# Altium PCB Inverter_540VDC_V2.PcbDoc (part 3 of 3)
Units mm, origin at the board's own origin, x right, y up, seen from the top; angles counter-clockwise.
Board outline 420 x 300 mm, 2 copper layers (Top Layer, Bottom Layer), stack 2.071 mm thick; 422 components, 183 nets, 1036 pads, 944 vias.
Unrouted connection lines stored in the file: 20.
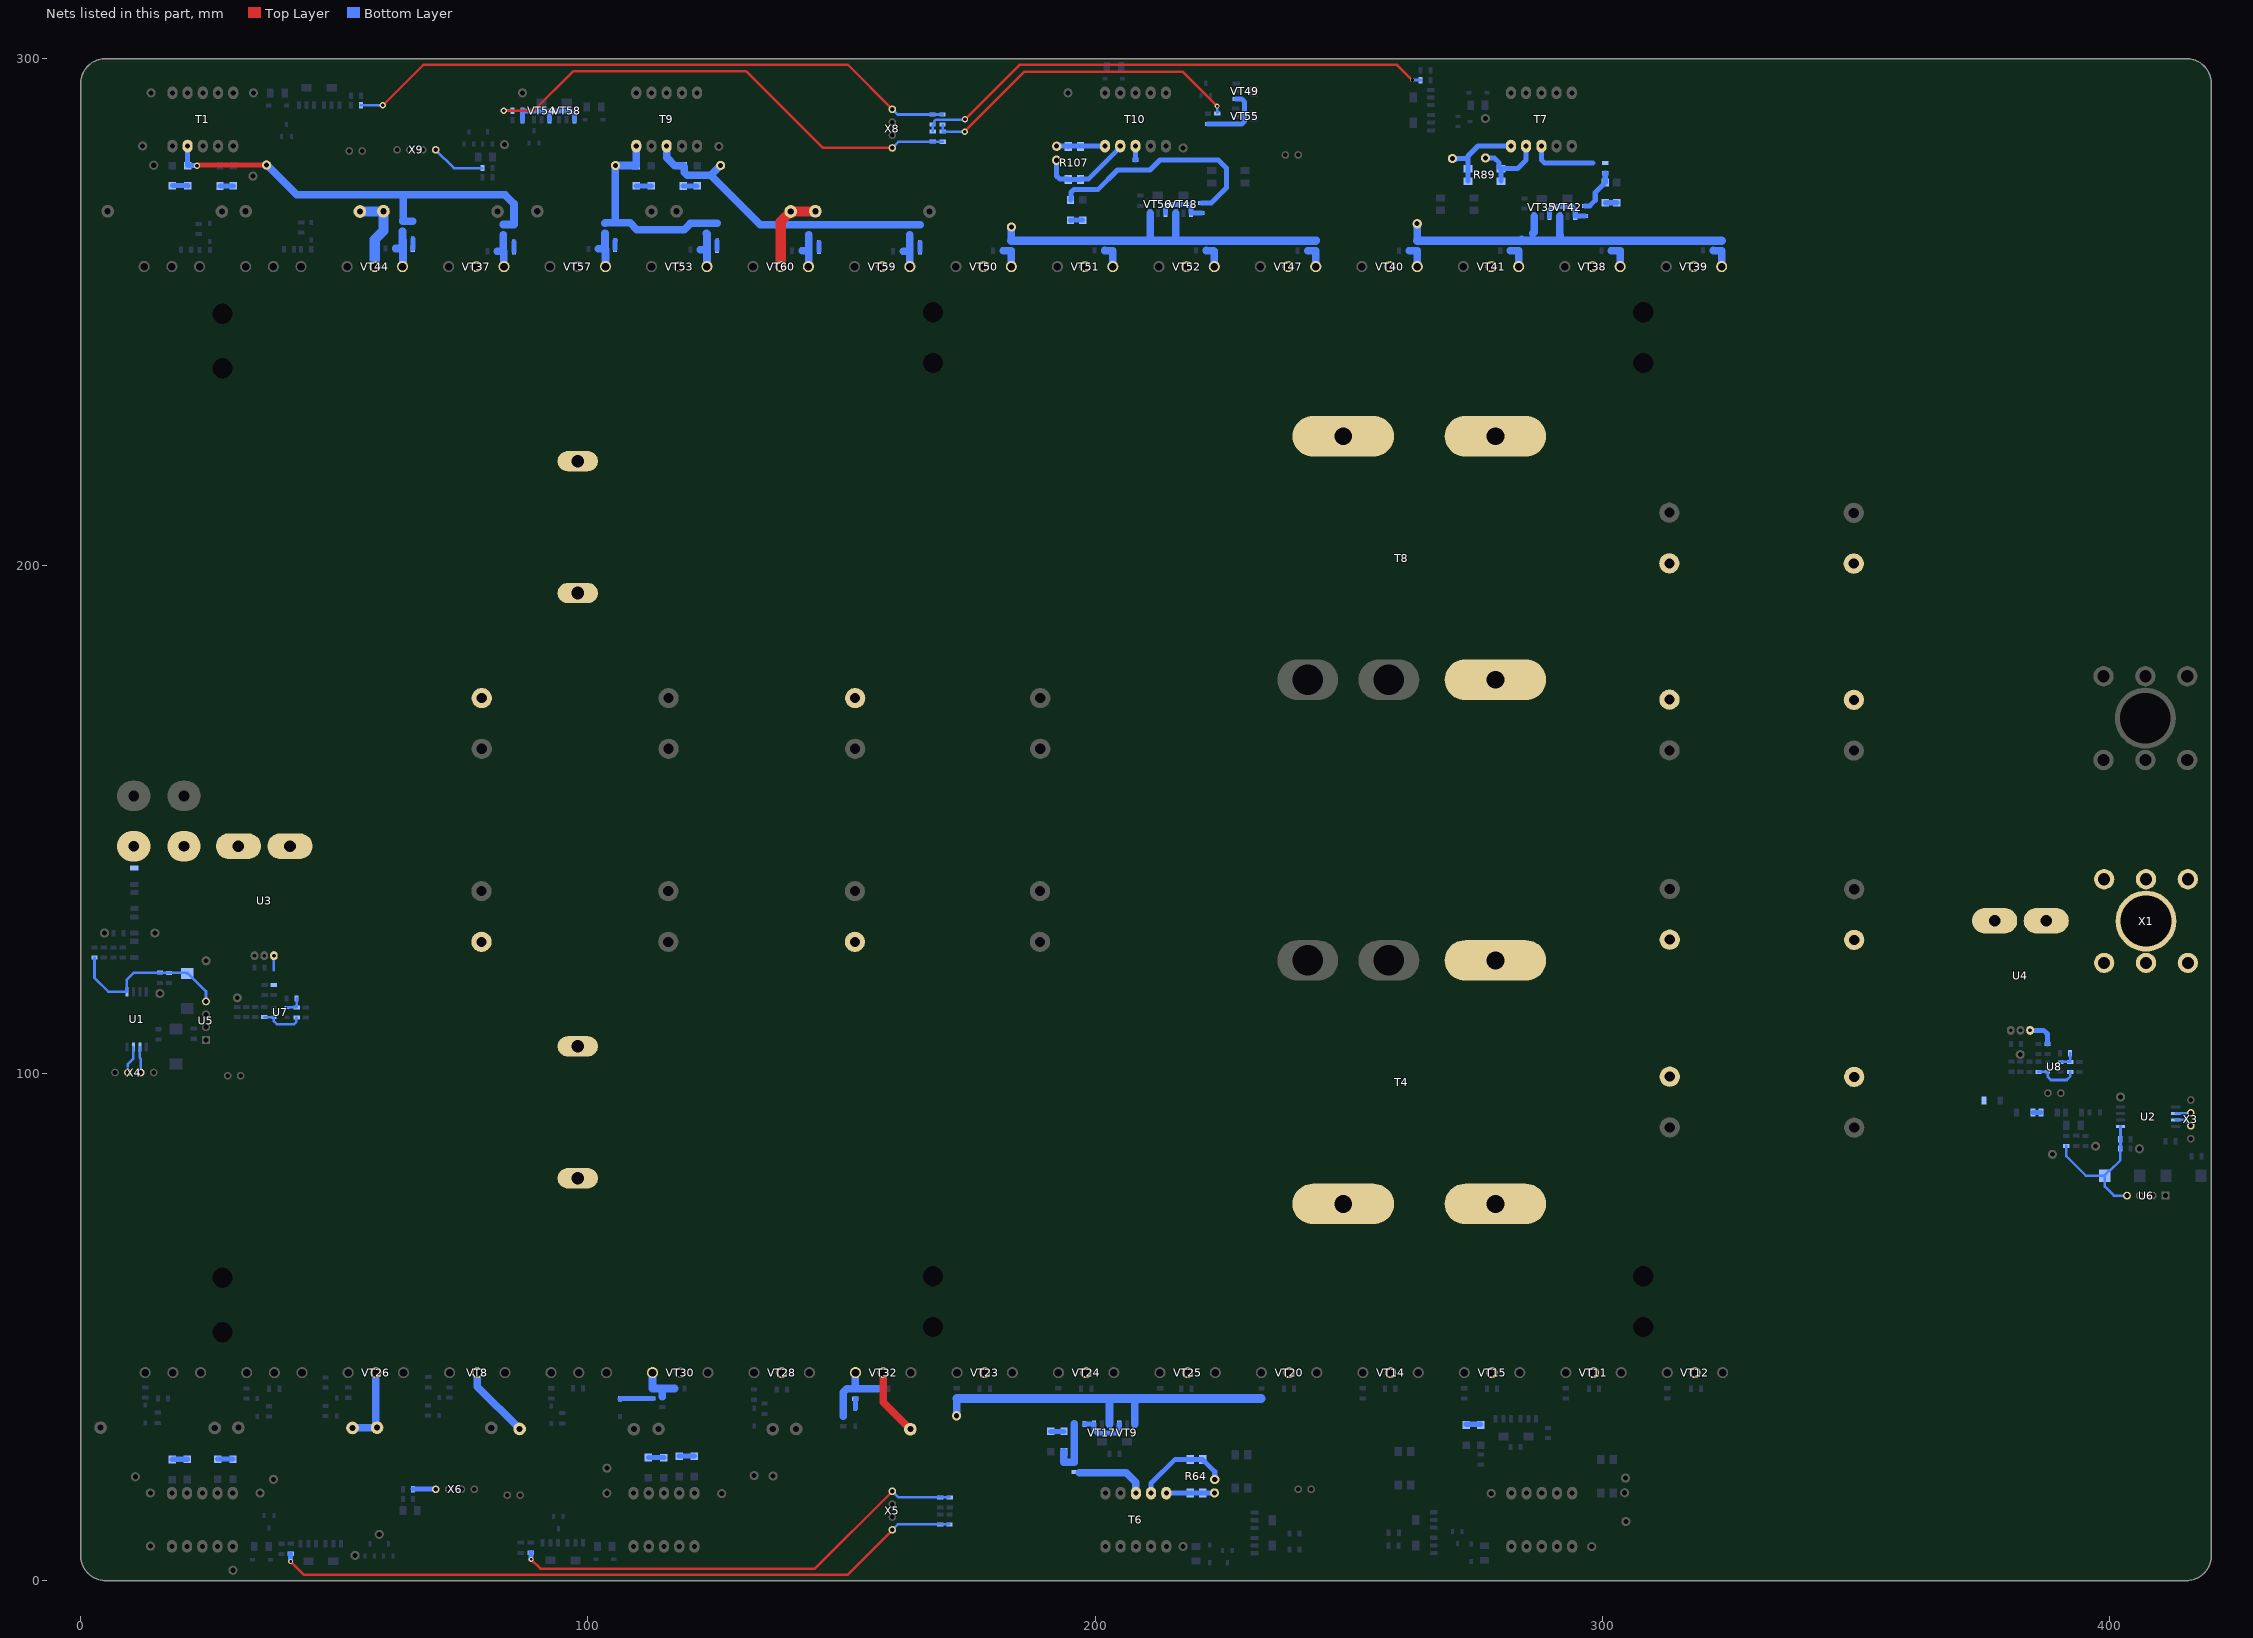
[diagram p3: the nets of this part, all layers, seen from the top]

## Via types
v1: diameter 1, hole 0.5, Top Layer to Bottom Layer, 866 vias
v2: diameter 1.8, hole 1, Top Layer to Bottom Layer, 44 vias
v3: diameter 1.27, hole 0.711, Top Layer to Bottom Layer, 18 vias
v4: diameter 0.8, hole 0.3, Top Layer to Bottom Layer, 10 vias
v5: diameter 0.7, hole 0.3, Top Layer to Bottom Layer, 5 vias
v6: diameter 0.8, hole 0.711, Top Layer to Bottom Layer, 1 vias

## Nets (pads, with @x,y where several pads share a name; then routed paths per layer and width w, separated by ;. In a path a pad name is that pad's centre, name@x,y a point inside that pad or via, vN(x,y) a via of type N, cw(c..) or ccw(c..) an arc to the next point about the centre after c; other vN are vias at no path point) (continued)
NetR60_2: R60.2 R66.1 R72.2 VT30.1 | length 9.2
  Bottom Layer w1.5: VT30.1@112.74,41 112.725,40.985 R72.2@112.725,37.875 114.9,37.875 ; R60.2@114.675,36.25 114.675,37.65 114.9,37.875 ; R66.1@117.075,37.875 114.9,37.875
NetR61_1: R61.1 R126.2 | length 1.6
  Bottom Layer w1: R61.1@384.812,92.274 384.812,92.262 386.4,92.262 R126.2@386.4,92.25
NetR62_1: R62.1 R63.2 VD25.2 | length 11.7
  Bottom Layer w1.5: VD25.2@193.825,25.425 193.825,23.325 195.875,23.325 R62.1@195.875,30.875
NetR62_2: R62.2 VT9.1 VT17.1 | length 9.6
  Bottom Layer w1: R62.2@197.875,30.875 197.887,30.862 199.713,30.862 VT17.1@199.725,30.85 ; VT17.1@199.775,30.85 199.775,29.711 200.361,29.125 204.139,29.125 204.725,29.711 VT9.1@204.725,30.85
NetR63_1: R63.1 T6.3 | length 14.1
  Bottom Layer w1.5: 196.825,21.3 206.1,21.3 208,19.4 T6.3@208,17.25
NetR64_1: R64.1 T6.1 TP31.1 | length 9.5
  Bottom Layer w0.5: R64.1@221.125,17.25 R64.1@221.175,17.3
  Bottom Layer w1: T6.1@214,17.25 R64.1@221.125,17.25 ; R64.1@221.175,17.3 v2(223.5,17.3)
NetR64_2: R64.2 T6.2 TP30.1 | length 19.1
  Bottom Layer w1: T6.2@211,17.25 211,19.175 215.675,23.85 R64.2@218.725,23.85 R64.2@221.175,23.85 221.175,23.675 221.4,23.45 221.575,23.45 223.55,21.475 v2(223.55,19.9)
NetR67_1: R67.1 R68.1 R69.1 R70.1 TP28.1 VT9.3 VT17.3 | length 72.7
  Bottom Layer w1.5: v2(172.675,32.5) 172.725,32.55 R68.1@172.725,35.925 R68.1@172.75,35.9 ; VT17.3@202.8,30.85 202.8,35.225 ; 206.75,35.725 206.925,35.9 ; VT9.3@207.75,30.85 207.75,35.397 ; 211.697,35.9 211.7,35.897 ; R67.1@232.75,35.9 R67.1@232.8,35.85
  Bottom Layer w1.7: R68.1@172.75,35.9 206.925,35.9 211.697,35.9 R67.1@232.75,35.9
NetR71_1: R71.1 R90.1 T1.2 TP38.1 VD11.2 VD36.1 VD41.1 | length 84.8
  Top Layer w1: v3(22.95,278.9) 23.023,278.9 23.123,279 v2(36.675,279)
  Bottom Layer w1: T1.2@21.1,282.75 21.1,278.95 21.15,278.9 v3(22.95,278.9)
  Bottom Layer w1.5: TP38.1@36.639,279.161 42.65,273.15 63.629,273.15 ; R90.1@63.525,267.925 VD41.1@65.5,267.925 ; R90.1@63.629,268 63.629,273.15 ; R71.1@83.3,267.275 83.325,267.3 VD36.1@85.425,267.3 85.425,271.375 83.65,273.15 63.629,273.15
NetR71_2: R71.2 R84.2 R85.1 VT37.1 | length 7.6
  Bottom Layer w1.5: R85.1@82.175,262 R84.2@83.45,262 ; R71.2@83.3,265.275 83.3,262.175 83.45,262.025 R84.2@83.45,262 ; VT37.1@83.46,259 83.45,259.01 R84.2@83.45,262
NetR72_1: R72.1 VD30.2 | length 6.4
  Bottom Layer w1: VD30.2@106.325,35.85 106.35,35.875 R72.1@112.725,35.875
NetR73_1: R73.1 U3.3 | length 2.9
  Bottom Layer w0.5: 38.125,120.325 38.125,123.151 U3.3@38.105,123.171 U3.3@38.134,123.2
NetR75_1: R75.1 U4.3 | length 5.7
  Bottom Layer w1: U4.3@384.255,108.471 386.929,108.471 387.675,107.725 R75.1@387.675,105.775
NetR77_2: R77.2 R78.1 R79.2 VT32.1 | length 15.1
  Bottom Layer w1.5: R77.2@150.35,32.425 150.35,37.15 151.05,37.85 R79.2@152.725,37.85 ; VT32.1@152.74,41 152.725,40.985 R79.2@152.725,37.85 ; R78.1@157.225,37.8 152.775,37.8 R79.2@152.725,37.85
NetR79_1: R79.1 VD34.2 | length 1.9
  Bottom Layer w1: VD34.2@152.725,33.925 R79.1@152.725,35.85
NetR80_1: R80.1 R93.2 VT40.1 | length 4.8
  Bottom Layer w1.5: R93.2@261.85,262.1 261.875,262.125 R80.1@263.475,262.125 263.46,262.11 VT40.1@263.46,259
NetR80_2: R80.2 R81.2 R82.2 R83.2 TP40.1 VT35.3 VT42.3 | length 72.3
  Bottom Layer w1.5: v2(263.45,267.45) 263.475,267.425 R80.2@263.475,264.125 ; R81.2@284.05,264.412 284.337,264.125 ; 286.225,265.525 286.5,265.8 VT35.3@286.5,268.9 ; 289.125,264.225 289.225,264.125 ; VT42.3@291.575,268.95 291.575,265.2 291.6,265.175 291.6,264.35 291.825,264.125
  Bottom Layer w1.7: R80.2@263.475,264.125 R81.2@283.475,264.125 284.337,264.125 289.225,264.125 291.825,264.125 R82.2@303.45,264.125 R83.2@323.475,264.125
NetR81_1: R81.1 R94.2 VT41.1 | length 4.8
  Bottom Layer w1.5: R94.2@281.825,262.1 281.838,262.112 283.463,262.112 R81.1@283.475,262.125 283.475,259.015 VT41.1@283.46,259
NetR82_1: R82.1 R95.2 VT38.1 | length 4.8
  Bottom Layer w1.5: R95.2@301.75,262.15 301.762,262.137 303.438,262.137 R82.1@303.45,262.125 303.45,259.01 VT38.1@303.46,259
NetR83_1: R83.1 R96.2 VT39.1 | length 4.8
  Bottom Layer w1.5: R96.2@321.8,262.175 321.825,262.15 323.45,262.15 R83.1@323.475,262.125 323.475,259.015 VT39.1@323.46,259
NetR84_1: R84.1 VD36.2 | length 1.8
  Bottom Layer w1: VD36.2@85.425,263.8 85.425,262.025 R84.1@85.45,262
NetR86_1: R86.1 R87.2 VD39.2 | length 8.7
  Bottom Layer w1: R86.1@296.525,270.975 297.475,270.975 298.55,272.05 298.55,273.6 300.275,275.325 300.3,275.325 300.525,275.55 VD39.2@300.525,275.575 ; R87.2@300.5,277.4 300.513,277.387 VD39.2@300.513,275.575
NetR86_2: R86.2 VT35.1 VT42.1 | length 10.1
  Bottom Layer w1: VT35.1@289.525,268.9 289.525,270.214 290.111,270.8 294.014,270.8 294.6,270.214 VT42.1@294.6,268.95 294.625,268.975 R86.2@296.525,268.975
NetR87_1: R87.1 T7.3 | length 13.1
  Bottom Layer w1: T7.3@287.925,282.75 287.925,280.036 288.511,279.45 298.05,279.45
NetR88_1: R88.1 R147.1 R149.1 | length 104
  Top Layer w0.5: v3(174.325,288.025) 185.05,298.75 259.475,298.75 v6(262.45,295.775)
  Bottom Layer w0.5: R147.1@167.95,285.65 167.95,286.95 R149.1@167.925,286.975 168.15,286.975 168.3,287.125 168.3,287.682 168.593,287.975 174.275,287.975 v3(174.325,288.025) ; v6(262.45,295.775) 264.05,295.775 R88.1@264.1,295.725
NetR89_1: R89.1 T7.1 TP39.1 | length 17.5
  Bottom Layer w1: TP39.1@270.3,279.95 270.453,280.103 271.019,280.103 271.186,280.271 273.45,280.271 ; R89.1@273.45,275.85 R89.1@273.45,278.3 273.45,280.271 ; T7.1@281.925,282.75 275.425,282.75 273.45,280.775 273.45,280.271
  other v2: 270.375,280.3
NetR89_2: R89.2 T7.2 TP37.1 | length 15.3
  Bottom Layer w1: v2(276.91,280.408) 278.642,280.408 279.6,279.45 279.6,278.525 279.825,278.3 R89.2@280,278.3 ; R89.2@280,275.85 R89.2@280,278.3 ; T7.2@284.925,282.75 284.925,280 283.225,278.3 R89.2@280,278.3
NetR90_2: R90.2 R91.1 R92.2 VT44.1 | length 10.1
  Bottom Layer w1.5: R91.1@62.1,262.55 62.113,262.563 R92.2@63.475,262.563 ; R90.2@63.45,266 63.45,262.625 R92.2@63.513,262.563 ; VT44.1@63.46,259 VT44.1@63.55,259.09 ; VT44.1@63.55,259 VT44.1@63.55,259.09 ; 63.55,264.138 VT44.1@63.55,259.09
NetR92_1: R92.1 VD41.2 | length 1.9
  Bottom Layer w1: R92.1@65.475,262.525 65.5,262.55 VD41.2@65.5,264.425
NetR99_1: R99.1 R110.2 VT47.1 | length 4.7
  Bottom Layer w1.5: R99.1@241.9,262.15 241.913,262.138 243.437,262.138 R110.2@243.45,262.125 243.45,259.01 VT47.1@243.46,259
NetR100_1: R100.1 R111.2 VT50.1 | length 4.8
  Bottom Layer w1.5: R100.1@181.85,262.125 R111.2@183.475,262.125 183.475,259.015 VT50.1@183.46,259
NetR101_1: R101.1 R112.2 VT51.1 | length 4.7
  Bottom Layer w1.5: R101.1@201.875,262.175 201.9,262.15 203.425,262.15 R112.2@203.45,262.125 203.45,259.01 VT51.1@203.46,259
NetR102_2: R102.2 R113.2 VT52.1 | length 4.7
  Bottom Layer w1.5: R102.2@221.85,262.175 221.912,262.112 223.387,262.112 R113.2@223.45,262.05 223.45,259.01 VT52.1@223.46,259
NetR103_1: R103.1 R106.1 T9.1 TP47.1 VD43.1 VD48.2 VD50.1 | length 42.4
  Bottom Layer w1.5: R106.1@103.375,267.575 103.425,267.625 VD50.1@105.425,267.625 ; T9.1@109.525,282.75 109.5,282.725 VD48.2@109.5,278.9 109.482,278.918 v2(105.425,278.918) VD50.1@105.425,267.625 ; VD43.1@125.45,267.55 123.375,267.55 R103.1@123.35,267.525 120.225,267.525 118.975,266.275 109.65,266.275 108.3,267.625 VD50.1@105.425,267.625
NetR103_2: R103.2 R104.1 R105.2 VT53.1 | length 7.9
  Bottom Layer w1.5: R104.1@122.2,262.325 R105.2@123.475,262.325 ; R103.2@123.35,265.525 123.375,265.525 123.475,265.425 123.475,265.4 R105.2@123.475,262.325 ; VT53.1@123.46,259 123.475,259.015 R105.2@123.475,262.325
NetR105_1: R105.1 VD43.2 | length 1.7
  Bottom Layer w1: VD43.2@125.45,264.05 125.475,264.025 R105.1@125.475,262.325
NetR106_2: R106.2 R109.1 R116.2 VT57.1 | length 7.9
  Bottom Layer w1.5: R109.1@102.075,262.475 R116.2@103.375,262.475 ; R106.2@103.375,265.575 R116.2@103.375,262.475 ; VT57.1@103.46,259 103.46,262.39 R116.2@103.375,262.475
NetR107_1: R107.1 T10.1 TP52.1 | length 9.6
  Bottom Layer w1: v2(192.4,282.725) 194.625,282.725 R107.1@194.65,282.7 194.7,282.75 T10.1@201.925,282.75
NetR107_2: R107.2 T10.2 TP51.1 | length 18.8
  Bottom Layer w1: v2(192.375,279.95) 192.375,276.875 193.011,276.239 194.561,276.239 R107.2@194.65,276.15 R107.2@197.1,276.15 197.241,276.291 198.705,276.291 204.925,282.511 T10.2@204.925,282.75
NetR108_1: R108.1 R148.1 R150.1 | length 65.9
  Top Layer w0.5: v3(174.25,285.6) 186.075,297.425 217.179,297.425 v1@223.975,290.629
  Bottom Layer w0.5: R150.1@169.9,286.975 169.925,286.95 R148.1@169.925,285.6 v3(174.25,285.6) ; R108.1@224.031,289.279 v1(224.031,290.629) 224.031,289.529 ; R108.1@224.031,289.333 224.228,289.529
NetR108_2: R108.2 R145.2 VT49.1 VT55.1 | length 13.1
  Bottom Layer w1: R145.2@222.225,287.125 224.027,287.125 R108.2@224.031,287.129 ; R108.2@224.1,287.104 VT55.1@227.725,287.104 228.864,287.104 229.45,287.69 229.45,291.444 228.864,292.029 VT49.1@227.75,292.029
NetR110_1: R110.1 R111.1 R112.1 R113.1 TP50.1 VT48.3 VT56.3 | length 73.7
  Bottom Layer w1.5: TP50.1@183.425,266.75 v2(183.475,266.8) R111.1@183.475,264.125 ; 188.525,264.125 188.55,264.15 ; 204.825,264.152 204.852,264.125 ; 209.85,264.125 209.875,264.15 ; VT56.3@210.8,269.5 VT56.3@210.825,269.525 210.825,264.242 ; 215.875,264.239 VT48.3@215.875,269.525 ; 230.166,264.125 230.2,264.159 ; 235.25,264.171 235.296,264.125 ; R110.1@243.45,264.125 R110.1@243.525,264.2
  Bottom Layer w1.7: R111.1@183.475,264.125 188.525,264.125 R112.1@203.45,264.125 204.852,264.125 209.85,264.125 230.166,264.125 235.296,264.125 R110.1@243.45,264.125
NetR114_1: R114.1 R115.2 VD46.2 | length 45.4
  Bottom Layer w1: VD46.2@195.125,272.125 195.207,272.207 195.207,273.639 195.793,274.225 200.575,274.225 204.4,278.05 R115.2@207.925,278.05 ; R115.2@208.05,278.05 210.8,278.05 212.75,280 224.25,280 225.825,278.425 225.825,274.475 222.875,271.525 R114.1@220.9,271.525
NetR114_2: R114.2 VT48.1 VT56.1 | length 9.8
  Bottom Layer w1: VT56.1@213.85,269.525 213.85,270.664 214.436,271.25 218.314,271.25 218.9,270.664 VT48.1@218.9,269.525 R114.2@220.9,269.525
NetR115_1: R115.1 T10.3 | length 2.7
  Bottom Layer w1: R115.1@207.925,280.05 T10.3@207.925,282.75
NetR116_1: R116.1 VD50.2 | length 1.7
  Bottom Layer w1: R116.1@105.375,262.475 105.375,264.075 VD50.2@105.425,264.125
NetR117_2: R117.2 R146.2 VT54.1 VT58.1 | length 15.6
  Bottom Layer w1: R146.2@87.15,287.825 R117.2@87.15,289.725 87.175,289.7 92.986,289.7 ; VT54.1@92.4,287.925 92.4,289.114 92.986,289.7 ; VT58.1@97.35,287.925 97.35,289.114 96.764,289.7 92.986,289.7
NetR119_1: R119.1 R123.1 T9.3 TP53.1 VD53.2 VD54.1 VD56.1 | length 61
  Bottom Layer w1.5: T9.3@115.525,282.75 115.525,280.5 117.15,278.875 VD53.2@118.775,278.875 119,278.65 119,277.611 119.586,277.025 124.25,277.025 ; v2(126.15,278.925) 124.519,277.294 124.25,277.025 ; VD54.1@165.45,267.25 R119.1@163.425,267.25 163.4,267.275 145.521,267.275 R123.1@143.5,267.275 134,267.275 124.25,277.025
NetR119_2: R119.2 R120.1 R121.2 VT59.1 | length 7.5
  Bottom Layer w1.5: R120.1@162.175,262.025 R121.2@163.45,262.025 ; R119.2@163.425,265.25 163.45,265.225 R121.2@163.45,262.025 ; VT59.1@163.46,259 163.45,259.01 R121.2@163.45,262.025
NetR121_1: R121.1 VD54.2 | length 1.7
  Bottom Layer w1: R121.1@165.45,262.025 VD54.2@165.45,263.75
NetR122_1: R122.1 R123.2 R124.2 VT60.1 | length 7.6
  Bottom Layer w1.5: R122.1@142.225,262.1 142.237,262.113 R124.2@143.5,262.113 ; VT60.1@143.46,259 143.5,259.04 R124.2@143.5,262.113 ; R123.2@143.5,265.275 R124.2@143.5,262.113 ; R124.2@143.525,262.125 143.512,262.113 R124.2@143.5,262.113
NetR124_1: R124.1 VD56.2 | length 1.6
  Bottom Layer w1: VD56.2@145.521,263.725 145.521,262.129 R124.1@145.525,262.125
NetR134_1: R134.1 R139.2 U7.1 | length 8.4
  Bottom Layer w0.5: R134.1@36.219,111.075 U7.1@37.994,111.075 ; U7.1@38.094,111.075 38.056,111.037 38.056,110.288 38.669,109.675 42.094,109.675 42.537,110.118 42.537,110.918 R139.2@42.594,110.975
NetR137_1: R137.1 R140.2 U8.1 | length 8.7
  Bottom Layer w0.5: R137.1@385.9,100.275 385.925,100.3 U8.1@387.7,100.3 387.7,99.325 388.35,98.675 391.45,98.675 392.168,99.393 392.168,100.243 R140.2@392.175,100.25
NetR139_1: R139.1 R143.2 U7.4 | length 3.7
  Bottom Layer w0.5: U7.4@40.694,112.975 R139.1@42.594,112.975 42.594,114.725 R143.2@42.569,114.75
NetR140_1: R140.1 R144.2 U8.4 | length 3.6
  Bottom Layer w0.5: U8.4@390.3,102.2 390.35,102.25 R140.1@392.175,102.25 392.125,102.3 R144.2@392.125,103.925
NetT4_1: T4.1 VT20.2 VT23.2 VT24.2 VT25.2
NetT4_2: T4.2 VT11.2 VT12.2 VT14.2 VT15.2
NetT8_1: T8.1 VT47.2 VT50.2 VT51.2 VT52.2 | length 0
  Top Layer w1: VT51.2@197.975,259.025 VT51.2@198,259
NetT8_2: T8.2 VT38.2 VT39.2 VT40.2 VT41.2
NetVD7_1: VD7.1 VD9.1 | length 2.6
  Bottom Layer w1: VD9.1@27.475,274.875 30.075,274.875 VD7.1@30.1,274.9
NetVD11_1: VD11.1 VD37.1 | length 3
  Bottom Layer w1: VD37.1@18.1,274.975 21.075,274.975 VD11.1@21.125,274.925
NetVD13_1: VD13.1 VD15.1 | length 3
  Bottom Layer w1: VD13.1@18.075,23.875 18.125,23.925 VD15.1@21.05,23.925
NetVD17_1: VD17.1 VD19.1 | length 3
  Bottom Layer w1: VD17.1@27.05,23.95 VD19.1@30.05,23.95
NetVD21_1: VD21.1 VD22.1 | length 2.9
  Bottom Layer w1: VD22.1@273.1,30.85 273.125,30.825 VD21.1@275.95,30.825
NetVD24_1: VD24.1 VD25.1 | length 2.6
  Bottom Layer w1: VD24.1@191.225,29.425 VD25.1@193.825,29.425
NetVD28_1: VD28.1 VD32.1 | length 3
  Bottom Layer w1: VD32.1@117.975,24.525 VD28.1@120.975,24.525
NetVD33_1: VD33.1 VD35.1 | length 3
  Bottom Layer w1: VD35.1@111.925,24.275 111.95,24.25 VD33.1@114.95,24.25
NetVD39_1: VD39.1 VD42.1 | length 2.3
  Bottom Layer w1: VD39.1@300.525,271.575 VD42.1@302.8,271.575
NetVD44_1: VD44.1 VD46.1 | length 2.4
  Bottom Layer w1: VD46.1@195.125,268.125 195.15,268.15 VD44.1@197.525,268.15
NetVD48_1: VD48.1 VD52.1 | length 3
  Bottom Layer w1: VD48.1@109.5,274.9 VD52.1@112.5,274.9
NetVD53_1: VD53.1 VD55.1 | length 2.8
  Bottom Layer w1: VD53.1@118.775,274.875 121.5,274.875 VD55.1@121.525,274.9
OUT1_N: U2.6 X3.3 | length 3
  Bottom Layer w0.5: U2.6@412.975,92.085 415.845,92.085 X3.3@415.95,92.19
OUT1_P: U2.7 X3.2 | length 3.5
  Bottom Layer w0.5: U2.7@412.975,90.815 414.785,90.815 X3.2@415.95,89.65
OUT2_N: U1.6 X4.2 | length 5.1
  Bottom Layer w0.5: U1.6@11.685,105.175 11.685,103.04 11.875,102.85 X4.2@11.875,100.15
OUT2_P: U1.7 X4.3 | length 5.5
  Bottom Layer w0.5: X4.3@9.335,100.15 9.335,101.81 10.415,102.89 U1.7@10.415,105.175
OUT_A1: R12.2 R13.2 R74.1 X5.4 | length 91.3
  Top Layer w0.5: v1(88.825,4.175) 90.625,2.375 144.755,2.375 X5.4@160,17.62
  Bottom Layer w0.5: X5.4@160,17.62 161.195,16.425 R12.2@169.367,16.425 ; R12.2@169.425,16.425 169.45,16.4 R13.2@171.3,16.4
  Bottom Layer w1: R74.1@88.75,5.5 88.788,5.463 88.788,4.212 v1(88.825,4.175)
OUT_A2: R117.1 R147.2 R148.2 X8.4 | length 98.2
  Top Layer w0.5: v3(83.45,289.725) 89.325,289.725 97.075,297.475 131.25,297.475 146.345,282.38 X8.4@160,282.38
  Bottom Layer w0.5: v3(83.45,289.725) R117.1@85.15,289.725 ; X8.4@160,282.38 161.22,283.6 R147.2@167.95,283.6 ; R147.2@167.95,283.65 168,283.6 R148.2@169.925,283.6
OUT_B1: R14.2 R15.2 R17.1 X5.1 | length 136.5
  Top Layer w0.5: v1(41.403,3.775) 44.028,1.15 151.15,1.15 X5.1@160,10
  Bottom Layer w0.5: v1@41.4,3.778 v1(41.403,3.775) ; X5.1@160,10 161.075,11.075 R15.2@171.223,11.075
  Bottom Layer w1: v1@41.4,3.778 R17.1@41.4,5.3
OUT_B2: R36.1 R149.2 R150.2 X8.1 | length 122.1
  Top Layer w0.5: v3(59.6,290.8) 67.575,298.775 151.225,298.775 X8.1@160,290
  Bottom Layer w0.5: R36.1@55.3,290.775 R36.1@55.275,290.8 v3@59.6,290.8 ; X8.1@160,290 161.025,288.975 R149.2@167.925,288.975 R150.2@169.9,288.975 R150.2@169.925,288.95
SD_1: R52.1 X6.1 | length 4.5
  Bottom Layer w0.5: X6.1@69.975,18.025 X6.1@70,18
  Bottom Layer w1: R52.1@65.525,18.025 X6.1@69.975,18.025
SD_2: R98.1 X9.1 | length 10.7
  Bottom Layer w0.5: X9.1@70,282 73.575,278.425 R98.1@79.196,278.425
V_BAT: U4.4 X1.1
V_BAT_1: C5.1 C6.1 C7.1 C8.1 C21.1 C22.1 C23.1 C24.1 R58.2 T4.3 T8.3 U4.5
VCC_HV: C1.1 C3.1 C17.1 C19.1 L1.2 L2.2 U3.4
VCC_HV_1: C11.1 C14.2 C39.1 C42.2 L1.1 VT8.2 VT26.2 VT28.2 VT32.2 | length 43.9
  Top Layer w1.5: VT32.2@158.2,41 158.2,35.2 C11.1@163.55,29.85
  Bottom Layer w1.5: C42.2@53.6,30.1 53.65,30.15 C39.1@58.2,30.15 ; VT26.2@58.2,41 C39.1@58.2,30.15 ; C39.1@58.225,29.9 58.2,29.925 C39.1@58.2,30.15 ; C39.1@58.45,30.15 C39.1@58.2,30.15 ; VT8.2@78.2,41 78.2,38.25 C14.2@86.55,29.9
VCC_HV_2: C26.1 C29.2 C48.1 C49.2 L2.1 VT37.2 VT44.2 VT59.2 VT60.2 | length 32.8
  Top Layer w2: VT60.2@138,259 138,267.875 C48.1@139.975,269.85 144.775,269.85 C49.2@144.825,269.9
  Bottom Layer w2: C26.1@55.05,269.85 59.65,269.85 C29.2@59.7,269.9 59.7,266.05 58,264.35 VT44.2@58,259
VCC_HV_OUT: J1.1 R40.2 U3.5
VCC_ISO: C40.2 C50.1 C56.1 R128.2 U2.1 U6.4 | length 29.5
  Bottom Layer w0.5: R128.2@391.4,85.675 391.4,83.65 395.25,79.8 C50.1@398.975,79.8 ; U2.1@402.075,89.545 402.075,85.225 C56.1@402.025,85.175 402.025,82.85 399.975,80.8 399.825,80.8 398.975,79.95 C50.1@398.975,79.8 ; U6.4@403.34,75.875 400.775,75.875 398.975,77.675 C50.1@398.975,79.8
VCC_ISO_1: C35.2 C41.1 C55.1 R127.2 U1.1 U5.4 | length 33.6
  Bottom Layer w0.5: R127.2@2.75,122.8 2.75,118.8 5.475,116.075 U1.1@9.145,116.075 9.145,118.47 10.505,119.83 13.787,119.83 13.792,119.825 C35.2@15.65,119.825 17.45,119.825 20.875,119.825 C41.1@21.05,119.65 21.2,119.65 24.725,116.125 U5.4@24.725,114.16
pads on no net: H1.5 H2.5 T1.4 T1.7 T1.8 T1.9 T2.4 T2.7 T2.8 T2.9 T3.4 T3.7 T3.8 T3.9 T5.4 T5.7 T5.8 T5.9 T6.4 T6.7 T6.8 T6.9 T7.4 T7.7 T7.8 T7.9 T9.4 T9.7 T9.8 T9.9 T10.4 T10.7 T10.8 T10.9

## Polygon pours and split planes (outlines as drawn)
GND on Bottom Layer "NONET_L-01_P-001" (solid, pour order 33): 46.2,118.748 46.2,109.2 33.2,96.2 0,96.2 0,109.855 28.68,109.855 29.825,111 29.825,125.575 39.373,125.575
V_BAT_1 on Bottom Layer "NONET_L-01_P-001" (solid, pour order 52): 268.875,177.55 268.875,166.65 271.95,163.575 307.675,163.575 311.15,167.05 315.75,167.05 319.225,163.575 344.05,163.575 347.525,167.05 351.75,167.05 353.15,165.65 353.15,127.475 381.725,127.475 381.725,192.325 366.925,207.125 313.175,207.125 288.475,182.425 272.1,182.425 268.906,179.231
GND_HV on Bottom Layer "NONET_L-01_P-001" (solid, pour order 60): 0,150.888 0.012,150.9 30.875,150.9 34.075,154.1 34.075,167.45 73.5,206.875 73.5,217.225 73.45,217.225 66.775,223.9 0,223.9
NetT8_2 on Bottom Layer "NONET_L-01_P-001" (solid, pour order 59): 272.875,221.55 268.775,221.55 255.8,234.525 255.8,258.55 257.35,260.1 258.65,260.1 261.925,256.825 274.075,256.825 277.35,260.1 278.675,260.1 281.95,256.825 294.075,256.825 297.35,260.1 298.675,260.1 301.95,256.825 314.075,256.825 317.35,260.1 318.65,260.1 326.425,252.325 326.425,229.125 318.85,221.55
NetC25_2 on Bottom Layer "NONET_L-01_P-001" (solid, pour order 8): 12.675,226.65 102.05,226.65 137.525,191.175 145.4,191.175 156.225,180.35 192.125,180.35 196.075,176.4 196.075,162.325 205.475,152.925 251.25,152.925 264.45,166.125 264.45,178.632 261.494,181.588 254.283,181.588 251.55,178.854 251.55,173.025 248.125,169.6 222.475,169.6 183.675,208.4 147.95,208.4 113.575,242.775 90.45,242.775 77.913,255.313 73.013,260.213 70.188,260.213 66.163,256.188 56.938,256.187 53.013,260.112 52.088,260.112 48.088,256.113 42.487,256.113 40.463,258.137 38.487,260.113 37.538,260.113 33.613,256.188 22.413,256.188 18.487,260.113 17.538,260.113 12.675,255.25
NetT4_2 on Bottom Layer "NONET_L-01_P-001" (solid, pour order 47): 273.075,78.425 271.075,78.425 256,63.35 256,41.425 257.55,39.875 258.85,39.875 262.125,43.15 274.275,43.15 277.55,39.875 278.875,39.875 282.15,43.15 294.275,43.15 297.55,39.875 298.875,39.875 302.15,43.15 314.275,43.15 317.55,39.875 318.85,39.875 326.625,47.65 326.625,70.85 319.05,78.425
NetC9_2 on Bottom Layer "NONET_L-01_P-001" (solid, pour order 40): 11.575,73.25 102.25,73.25 137.725,108.725 144.375,108.725 155.094,119.444 191.294,119.444 196.318,124.468 196.318,137.593 205.325,146.6 251.825,146.6 264.65,133.775 264.65,121.268 261.694,118.312 254.483,118.312 251.75,121.046 251.75,126.875 248.325,130.3 222.675,130.3 183.15,90.775 149.5,90.775 115.85,57.125 101.35,57.125 84.125,39.9 83.175,39.9 79.363,43.712 68.137,43.712 64.325,39.9 62.975,39.9 59.087,43.787 42.688,43.788 40.663,41.763 38.688,39.788 37.738,39.788 33.813,43.713 22.613,43.713 18.688,39.788 17.738,39.788 11.575,45.95
BAT_GND on Bottom Layer "NONET_L-01_P-001" (solid, pour order 56): 420,157.475 385.775,157.475 385.775,193.2 362.5,216.475 340.1,216.475 331.4,225.175 331.387,262.107 326.019,267.475 309.625,267.475 309.625,300 331.387,300 397.672,300 420,277.672
BAT_GND on Bottom Layer "NONET_L-01_P-001" (solid, pour order 57): 419.625,66.05 399.65,66.05 374.2,91.5 312.275,91.5 309.875,89.1 309.875,84.075 312.45,81.5 320.95,81.5 331.05,71.4 331.05,42.475 322.6,34.025 309.875,34.025 309.875,0 400.65,0 420.025,19.375
GND on Bottom Layer "NONET_L-01_P-001" (solid, pour order 26): 12.125,293.425 12.125,300 296.05,300 296.05,291.775 279.85,291.775 278.025,289.95 272.075,284 216.825,284 216.825,291.925 190.575,291.925 173.575,274.925 140.6,274.925 123.509,292.016 107.516,292.016 104.925,289.425 104.925,287.325 93.225,275.625 46.225,275.625 33.875,287.975 33.875,290.3 32.2,291.975 13.575,291.975
V_BAT on Bottom Layer "NONET_L-01_P-001" (solid, pour order 55): 420,142.8 382.998,142.8 382.998,118.502 387.375,114.125 420,114.125
V_BAT_1 on Bottom Layer "NONET_L-01_P-001" (solid, pour order 54): 271.85,130.413 271.85,168.55 354.55,168.55 354.55,130.615
V_BAT_1 on Bottom Layer "NONET_L-01_P-001" (solid, pour order 53): 268.895,134.095 271.925,137.125 307.35,137.125 311.55,132.925 314.65,132.925 318.85,137.125 343.775,137.125 347.975,132.925 351.175,132.925 355.375,137.125 381.875,137.125 381.875,118.925 375.825,112.875 375.825,93.575 313,93.575 289.425,117.15 272.025,117.15 268.895,120.28
NetT4_1 on Bottom Layer "NONET_L-01_P-001" (solid, pour order 48): 205.563,78.488 176.613,49.537 176.613,40.788 177.575,39.825 178.875,39.825 182.15,43.1 194.3,43.1 197.575,39.825 198.9,39.825 202.175,43.1 214.3,43.1 217.575,39.825 218.9,39.825 222.175,43.1 234.3,43.1 237.575,39.825 238.875,39.825 253.438,54.388 253.437,67.063 259.199,72.824 259.199,76.027 256.738,78.488
NetT8_1 on Bottom Layer "NONET_L-01_P-001" (solid, pour order 46): 205.35,221.55 176.4,250.5 176.4,259.25 177.363,260.212 178.663,260.212 181.938,256.937 194.088,256.937 197.362,260.212 198.688,260.212 201.963,256.937 214.088,256.937 217.363,260.212 218.688,260.212 221.963,256.937 234.088,256.937 237.363,260.212 238.662,260.212 253.225,245.65 253.225,232.975 258.986,227.214 258.986,224.011 256.526,221.55
GND on Bottom Layer "NONET_L-01_P-001" (solid, pour order 41): 11.975,6.687 11.975,0.112 297.6,0.112 297.6,8.338 279.7,8.338 277.875,10.163 277.875,12.988 274.963,15.9 223.488,15.9 215.775,8.188 199.737,8.188 183.175,24.75 145.475,24.75 128.821,8.096 107.366,8.096 104.775,10.688 104.775,12.788 96.675,20.888 42.838,20.888 33.725,11.775 33.725,9.813 32.05,8.138 13.425,8.138
VCC_HV on Bottom Layer "NONET_L-01_P-001" (solid, pour order 14): 141.529,159.975 154.675,173.122 154.675,174.87 142.755,186.79 135.035,186.79 125.175,196.65 67.85,196.65 36.851,165.651 36.851,134.474 68.025,103.3 124.9,103.3 135.075,113.475 143.05,113.475 154.625,125.05 154.625,126.728 141.453,139.9 134.9,139.9 116.55,121.55 87.05,121.55 78.05,130.55 74.75,133.85 74.75,166.175 77.341,168.766 86.95,178.375 116.625,178.375 135.025,159.975
NetC36_2 on Bottom Layer "NONET_L-01_P-001" (solid, pour order 39): 96.775,47.937 103.563,54.725 118.363,54.725 149.973,86.335 185.673,86.335 226.198,126.86 245.057,126.86 248.423,124.282 248.423,120.653 245.105,117.335 235.532,117.335 183.407,65.21 166.61,65.21 163.569,62.169 163.581,48.319 165.975,45.925 165.975,41.55 164.325,39.9 162.425,39.9 158.64,43.685 148.01,43.685 144.225,39.9 143.05,39.9 139.19,43.76 122.71,43.76 118.85,39.9 117.625,39.9 113.84,43.685 102.56,43.685 98.775,39.9 97.65,39.9 96.775,40.775
GND_HV on Bottom Layer "NONET_L-01_P-001" (solid, pour order 35): 27.575,110.845 18.505,110.845 15.925,113.425 0,113.425 0,124.175 9.4,124.175 9.95,124.725 24.8,124.725 27.575,121.95
GND on Bottom Layer "NONET_L-01_P-001" (solid, pour order 30): 407.645,75.875 407.645,76.245 409.95,78.55 409.95,94.375 406.625,97.7 396.425,97.7 396.425,110.586 420,110.586 420,74.225 418.075,72.3 408.7,72.3 407.645,73.355
GND on Bottom Layer "NONET_L-01_P-001" (solid, pour order 25): 378.15,110.625 378.15,97.7 397.275,97.7 397.275,110.625
VCC_HV_OUT on Bottom Layer "NONET_L-01_P-001" (solid, pour order 20): 7,148 7,139.95 35.6,139.95 35.6,148
NetC19_2 on Bottom Layer "NONET_L-01_P-001" (solid, pour order 18): 77,163.082 77,164.736 88.274,176.01 116.764,176.01 117.94,174.834 117.94,173.14 106.66,161.86 78.221,161.86
NetC3_2 on Bottom Layer "NONET_L-01_P-001" (solid, pour order 16): 150.687,136.742 150.687,135.088 161.887,123.888 189.965,123.888 191.15,125.073 191.15,126.7 186.487,131.363 177.925,139.925 153.87,139.925
NetC17_2 on Bottom Layer "NONET_L-01_P-001" (solid, pour order 15): 150.675,163.122 150.675,164.775 161.875,175.975 189.954,175.975 191.138,174.79 191.138,173.163 186.475,168.5 178,160.025 153.772,160.025
NetC1_2 on Bottom Layer "NONET_L-01_P-001" (solid, pour order 17): 76.889,136.803 76.889,135.15 88.164,123.875 116.653,123.875 117.829,125.051 117.829,126.746 106.55,138.025 78.111,138.025
NetC45_2 on Bottom Layer "NONET_L-01_P-001" (solid, pour order 7): 95.5,252.65 101.575,246.575 116.375,246.575 149.425,213.525 185.125,213.525 225.65,173 244.509,173 247.875,175.578 247.875,179.207 244.557,182.525 234.984,182.525 182.859,234.65 166.8,234.65 163.225,238.225 163.225,249.975 153,260.2 150.175,260.2 146.15,256.175 136.925,256.175 133,260.1 132.075,260.1 128.075,256.1 122.475,256.1 120.45,258.125 118.475,260.1 117.525,260.1 113.6,256.175 102.4,256.175 98.475,260.1 97.525,260.1 95.5,258.075
BAT_GND on Top Layer "NONET_L-01_P-001" (solid, pour order 44): 170.125,256.2 170.1,256.175 171.6,254.675 171.6,201.5 197.925,175.175 197.925,124.35 181.1,107.525 181.1,31.825 190.65,22.275 309.575,22.275 309.575,0 400.654,0 420,19.346 420,66.083 399.692,66.083 372.275,93.5 372.275,125.125 369.95,127.45 369.95,140.225 387.25,157.525 420,157.525 420,277.625 397.622,300.003 309.575,300 309.575,277.625 187.575,277.625 170.125,260.175
GND on Top Layer "NONET_L-01_P-001" (solid, pour order 42): 11.975,6.687 11.975,0.112 297.6,0.112 297.6,8.338 279.7,8.338 277.875,10.163 277.875,12.988 275.038,15.825 223.412,15.825 215.775,8.188 199.812,8.188 183.15,24.85 145.575,24.85 128.821,8.096 107.366,8.096 104.775,10.688 104.775,12.788 96.675,20.888 42.838,20.888 33.725,11.775 33.725,9.813 32.05,8.138 13.425,8.138
GND on Top Layer "NONET_L-01_P-001" (solid, pour order 27): 12.125,293.425 12.125,300 296.1,300 296.1,291.775 279.85,291.775 278.025,289.95 278.025,287.125 275.825,284.925 222.925,284.925 215.925,291.925 190.575,291.925 173.7,275.05 140.475,275.05 123.509,292.016 107.516,292.016 104.925,289.425 104.925,287.325 96.4,278.8 43.05,278.8 33.875,287.975 33.875,290.3 32.2,291.975 13.575,291.975
GND_HV on Top Layer "NONET_L-01_P-001" (solid, pour order 10): 112.54,257.9 113.625,257.9 115.3,259.575 115.3,263.7 119.85,268.25 119.85,271.9 116.675,275.075 1,275.075 1,150.075 73.75,150.075 73.75,216.8 35.025,255.525 35.025,259.85 36.475,261.3 84.625,261.3 88.05,257.875 93.45,257.875 96.925,261.35 104.925,261.35 108.297,257.978
GND_HV on Top Layer "NONET_L-01_P-001" (solid, pour order 31): 104.124,42.101 107.825,38.4 119.3,38.4 122.96,42.06 124.265,42.06 131.275,35.05 142.425,35.05 142.425,24.892 121.333,24.892 0,24.892 0,93.45 34.35,93.45 48.9,108 48.9,149.625 73.85,149.625 73.85,76.2 50.325,52.675 50.325,39.8 51.775,38.35 99.45,38.35 103.203,42.103
no net on Top Layer "NONET_L-01_P-001" (solid, pour order 43): 170.15,261.35 170.1,261.3 170.1,256.175
VCC_HV_1 on Top Layer "NONET_L-01_P-001" (solid, pour order 36): 160.7,41.853 160.7,64.975 144.373,81.302 111.174,81.302 86.302,81.302 55.724,50.724 55.724,41.852 57.72,39.856 58.653,39.856 60.724,41.927 62.524,43.727 73.849,43.727 77.72,39.856 78.678,39.856 82.549,43.727 133.849,43.727 135.724,41.852 137.72,39.856 138.678,39.856 143.574,44.752 152.824,44.752 157.72,39.856 158.703,39.856
GND_HV on Top Layer "NONET_L-01_P-001" (solid, pour order 34): 27.575,110.845 18.505,110.845 15.925,113.425 0,113.425 0,124.725 9.95,124.725 24.8,124.725 27.575,121.95
GND on Top Layer "NONET_L-01_P-001" (solid, pour order 32): 46.15,118.798 46.15,109.2 33.2,96.25 0,96.25 0,109.855 28.68,109.855 29.825,111 29.825,125.575 39.373,125.575
GND on Top Layer "NONET_L-01_P-001" (solid, pour order 29): 407.645,75.875 407.645,76.245 409.95,78.55 409.95,94.375 406.625,97.7 396.425,97.7 396.425,110.586 420,110.586 420,74.225 418.075,72.3 408.7,72.3 407.645,73.355
V_BAT on Top Layer "NONET_L-01_P-001" (solid, pour order 0): 420,142.7 382.998,142.7 382.998,118.677 387.5,114.175 420,114.175
GND on Top Layer "NONET_L-01_P-001" (solid, pour order 24): 378.15,110.625 378.15,97.7 397.325,97.7 397.325,110.625
GND_HV on Top Layer "NONET_L-01_P-001" (solid, pour order 22): 186.578,169.3 167.025,169.3 139.675,169.3 51.45,169.3 42.25,160.1 4.55,160.1 4.55,149.975 46.15,149.975 56.275,139.85 61.4,139.85 70.05,131.2 138.675,131.2 165.075,131.2 187.25,131.2 191.625,135.575 191.625,164.253
VCC_HV_OUT on Top Layer "NONET_L-01_P-001" (solid, pour order 21): 7,148.025 7,139.95 35.6,139.95 35.6,148.025
VCC_HV_2 on Top Layer "NONET_L-01_P-001" (solid, pour order 6): 56.075,258.675 56.075,238.925 76.35,218.65 105.025,218.65 144.1,218.65 160.475,235.025 160.475,258.1 158.479,260.096 157.546,260.096 155.475,258.025 153.675,256.225 142.35,256.225 138.479,260.096 137.521,260.096 133.65,256.225 82.35,256.225 80.475,258.1 78.479,260.096 77.521,260.096 72.625,255.2 63.375,255.2 58.479,260.096 57.496,260.096
no net on Top Overlay "NONET_L-01_P-001" (solid): 384.175,75.8 373.15,86.825 357.975,71.65 336.225,71.65 334.175,69.6 334.175,42.925 325.95,34.7 182.7,34.7 182.7,32.5 189.925,25.275 359.95,25.275 384.175,49.5
no net on Top Overlay "NONET_L-01_P-001" (solid): 383.247,184.628 372.65,195.225 372.65,217.275 325.25,264.675 177.15,264.675 187.05,274.575 375.825,274.575 415,235.4 415,184.628
no net on Bottom Solder "NONET_L-01_P-001" (solid): 419.453,184.148 382.451,184.148 382.451,157.575 419.453,157.575
V_BAT on Bottom Solder "NONET_L-01_P-001" (solid, pour order 1): 420,142.625 382.998,142.625 382.998,118.502 387.375,114.125 420,114.125
V_BAT_1 on Bottom Solder "NONET_L-01_P-001" (solid, pour order 3): 268.895,134.095 271.925,137.125 307.35,137.125 311.55,132.925 314.65,132.925 318.85,137.125 343.775,137.125 347.975,132.925 351.175,132.925 355.375,137.125 381.875,137.125 381.875,118.925 375.825,112.875 375.825,93.575 313,93.575 289.425,117.15 272.025,117.15 268.895,120.28
V_BAT_1 on Bottom Solder "NONET_L-01_P-001" (solid, pour order 2): 268.875,177.55 268.875,166.65 271.95,163.575 307.675,163.575 311.15,167.05 315.75,167.05 319.225,163.575 344.05,163.575 347.525,167.05 351.75,167.05 353.15,165.65 353.15,127.475 381.725,127.475 381.725,190.95 365.55,207.125 313.175,207.125 288.475,182.425 272.1,182.425 268.906,179.231
V_BAT_1 on Bottom Solder "NONET_L-01_P-001" (solid, pour order 23): 271.85,130.413 271.85,168.55 354.55,168.55 354.55,130.615
NetT8_1 on Bottom Solder "NONET_L-01_P-001" (solid, pour order 5): 205.35,221.55 176.4,250.5 176.4,259.25 177.363,260.212 178.663,260.212 181.938,256.937 194.088,256.937 197.362,260.212 198.688,260.212 201.963,256.937 214.088,256.937 217.363,260.212 218.688,260.212 221.963,256.937 234.088,256.937 237.363,260.212 238.662,260.212 253.225,245.65 253.225,232.975 258.986,227.214 258.986,224.011 256.526,221.55
NetT4_2 on Bottom Solder "NONET_L-01_P-001" (solid, pour order 37): 273.075,78.425 271.075,78.425 256,63.35 256,41.425 257.55,39.875 258.85,39.875 262.125,43.15 274.275,43.15 277.55,39.875 278.875,39.875 282.15,43.15 294.275,43.15 297.55,39.875 298.875,39.875 302.15,43.15 314.275,43.15 317.55,39.875 318.85,39.875 326.625,47.65 326.625,70.85 319.05,78.425
NetT4_1 on Bottom Solder "NONET_L-01_P-001" (solid, pour order 38): 205.563,78.488 176.613,49.537 176.613,40.788 177.575,39.825 178.875,39.825 182.15,43.1 194.3,43.1 197.575,39.825 198.9,39.825 202.175,43.1 214.3,43.1 217.575,39.825 218.9,39.825 222.175,43.1 234.3,43.1 237.575,39.825 238.875,39.825 253.438,54.388 253.437,67.063 259.199,72.824 259.199,76.027 256.738,78.488
NetT8_2 on Bottom Solder "NONET_L-01_P-001" (solid, pour order 4): 272.875,221.55 268.775,221.55 255.8,234.525 255.8,258.55 257.35,260.1 258.65,260.1 261.925,256.825 274.075,256.825 277.35,260.1 278.675,260.1 281.95,256.825 294.075,256.825 297.35,260.1 298.675,260.1 301.95,256.825 314.075,256.825 317.35,260.1 318.65,260.1 326.425,252.325 326.425,229.125 318.85,221.55
no net on Top Solder "NONET_L-01_P-001" (solid): 383.439,181.211 370.725,193.925 370.725,216.75 324.575,262.9 172.975,262.9 186.35,276.275 377.375,276.275 417.6,236.05 417.6,181.25
no net on Top Solder "NONET_L-01_P-001" (solid): 386.575,76.575 373.275,89.875 357.2,73.8 335.6,73.8 332.25,70.45 332.25,43.725 325.1,36.575 181.1,36.575 181.1,31.975 189.875,23.2 361.375,23.2 386.575,48.4
no net on Bottom Overlay "NONET_L-01_P-001" (solid): 273.5,171.925 273.5,127.8 287.925,127.8 311.85,103.875 363.3,103.875 375.45,116.025 375.45,123.888 370.975,128.363 370.975,132 376.477,137.502 376.477,170.073 350.925,195.625 311.175,195.625 287.475,171.925
no net on Bottom Overlay "NONET_L-01_P-001" (solid): 198.175,230.625 177.6,251.2 177.6,255.525 240.725,255.525 251.5,244.75 251.5,236.081 251.5,230.625
no net on Bottom Overlay "NONET_L-01_P-001" (solid): 294.725,223.65 288,230.375 263.173,230.375 258.025,235.523 258.025,255.225 299.925,255.225 299.925,231.304 315.625,231.304 315.625,255.225 320.55,255.225 323.525,252.25 323.525,229.3 317.875,223.65
NetT8_2 on Bottom Overlay "NONET_L-01_P-001" (solid, pour order 45): 295.875,76.325 289.15,69.6 264.323,69.6 259.175,64.452 259.175,44.75 301.075,44.75 301.075,68.671 316.775,68.671 316.775,44.75 321.7,44.75 324.675,47.725 324.675,70.675 319.025,76.325
NetT8_1 on Bottom Overlay "NONET_L-01_P-001" (solid, pour order 58): 199.325,69.35 178.75,48.775 178.75,44.45 241.875,44.45 252.65,55.225 252.65,63.894 252.65,69.35

## Keep-outs
Keep-Out Layer:
  circle w0.254: c415.87,150 r1.27
  circle w0.254: c305,295 r1.27
  circle w0.254: c305,5 r1.27
  circle w0.254: c265,150 r1.27
  circle w0.254: c60,150 r1.27
  circle w0.254: c5,210 r1.27
  circle w0.254: c5,90 r1.27
  circle w0.254: c171,150 r1.27
  circle w0.254: c175,5 r1.27
  circle w0.254: c175,295 r1.27
  circle w0.254: c415,295 r1.27
  circle w0.254: c5,295 r1.27
  circle w0.254: c415,5 r1.27
  circle w0.254: c5,5 r1.27
  lines w0.254: 5,300 ccw(c5,295) 0,295 0,5 ccw(c5,5) 5,0 414.975,0 ; 5.077,300 415,300.003 ; 415,0 ccw(c415,5) 420,5 420,295 ccw(c415,295) 415,300 ; 78.636,86.138 78.636,98.788 80.386,100.538 117.786,100.538 119.111,99.213 119.111,95.338 107.561,83.788 80.986,83.788 78.636,86.138 ; 79.25,200.875 81,199.125 118.4,199.125 119.725,200.45 119.725,204.325 108.175,215.875 81.6,215.875 79.25,213.525 79.25,200.875 ; 236.875,185.275 287.95,185.275 290.925,188.25 290.925,217.701 290.925,217.775 236.875,217.775 236.875,185.275 ; 237.025,81.297 237.025,113.797 288.1,113.797 291.075,110.822 291.075,81.371 291.075,81.297 237.025,81.297

## Other copper
Top Layer:
  rectangle net GND: 12.133,291.975 15.45,294.68
  rectangle net GND: 85.7,291.85 88.5,294.65
  pour cut-out: 238.838,66.462 231.888,73.412 231.888,126.762 236.612,131.487 287.813,131.487 295.688,123.612 295.688,73.062 289.087,66.462
  pour cut-out: 238.9,233.4 231.95,226.45 231.95,173.1 236.675,168.375 287.875,168.375 295.75,176.25 295.75,226.8 289.15,233.4
  pour cut-out: 75.14,139.766 75.14,131.966 82.865,131.966 82.865,139.766
  pour cut-out: 148.715,139.791 148.715,131.991 156.44,131.991 156.44,139.791
  pour cut-out: 148.79,167.866 148.79,160.066 156.515,160.066 156.515,167.866
  pour cut-out: 75.325,168 75.325,160.2 83.05,160.2 83.05,168
Bottom Layer:
  rectangle net NetR67_1: 171.875,33.328 233.836,36.753
  rectangle net NetR29_2: 251.825,33.9 308.986,36.728
  rectangle net NetR80_2: 262.461,263.278 324.261,266.703
  rectangle net NetR110_1: 182.55,263.25 244.35,266.675
  region net VCC_HV: 143.15,115.825 143.15,185 120.141,185 120.141,115.825
  rectangle net VCC_HV: 71.3,139.875 141.625,160.075
  rectangle net GND: 12.133,291.975 15.45,294.68
  pour cut-out: 345.692,140.026 345.692,132.226 353.417,132.226 353.417,140.026
  pour cut-out: 309.492,140.176 309.492,132.376 317.217,132.376 317.217,140.176
  pour cut-out: 345.792,167.676 345.792,159.876 353.517,159.876 353.517,167.676
  pour cut-out: 309.3,167.55 309.3,159.75 317.025,159.75 317.025,167.55

## Silkscreen, mask and mechanical layers (free items; w line width, h text height)
Top Overlay:
  circle w1: c415.87,150 r2
  circle w1: c305,295 r2
  circle w1: c305,5 r2
  circle w1: c265,150 r2
  circle w1: c60,150 r2
  circle w1: c5,210 r2
  circle w1: c5,90 r2
  circle w1: c171,150 r2
  circle w1: c175,5 r2
  circle w1: c175,295 r2
  circle w1: c5,295 r2
  circle w1: c415,295 r2
  circle w1: c415,5 r2
  circle w1: c5,5 r2
  rectangle: 67.25,222.766 76.75,234.766
  rectangle: 67.25,65.2 76.75,77.2
  lines w0.2: 415,235.4 415,277.15
  lines w0.3: 21.95,150 395.75,150 ; 398.6,125.15 398.675,125.225
  text "2B" at 163.229,289.754 h1
  text "GND" at 55.922,287.757 h1 r90
  text "GND" at 163.179,286.929 h1
  text "+24V" at 53.347,286.857 h1 r90
  text "GND" at 62.747,286.167 h1 r90
  text "+24V" at 65.484,286.167 h1 r90
  text "+5V" at 67.973,286.167 h1 r90
  text "SD2" at 70.561,286.167 h1 r90
  text "GND_BAT" at 237.779,285.004 h1 r90
  text "+15V" at 240.696,284.729 h1 r90
  text "GND" at 163.069,284.541 h1
  text "2A" at 163.252,281.96 h1
  text "V_BAT-" at 387.25,162.125 h3 r90
  text "HV-" at 1.425,156.8 h2 r270
  text "HV+" at 1.35,147.1 h2 r270
  text "V_BAT+" at 395.425,122.475 h3 r90
  text "+5V" at 6.269,96.859 h1 r270
  text "GND" at 14.054,96.746 h1 r270
  text "2P" at 8.755,96.702 h1 r270
  text "2N" at 11.594,96.659 h1 r270
  text "ADC_I_2" at 28.496,96.496 h1 r270
  text "GND" at 31.154,96.496 h1 r270
  text "GND" at 409.729,94.054 h1
  text "1N" at 409.841,91.694 h1
  text "GND" at 391.083,90.385 h1 r90
  text "1P" at 409.798,88.855 h1
  text "ADC_I_1" at 388.004,86.979 h1 r90
  text "+5V" at 409.616,86.269 h1
  text "1A" at 164.929,17.129 h1
  text "GND" at 164.901,14.536 h1
  text "GND" at 164.791,12.148 h1
  text "+15V" at 240.521,11.429 h1 r90
  text "SD1" at 70.296,11.254 h1 r90
  text "+5V" at 73.021,10.954 h1 r90
  text "GND" at 78.246,10.904 h1 r90
  text "GND" at 87.197,10.757 h1 r90
  text "+24V" at 75.671,10.004 h1 r90
  text "+24V" at 84.622,9.857 h1 r90
  text "1B" at 164.904,9.604 h1
  text "GND_BAT" at 243.154,8.279 h1 r90
Bottom Overlay:
  pour cut-out: 346.4,141.15 343.925,138.675 343.925,124.538 346.375,122.088 352.875,122.088 355.45,124.662 355.45,138.638 352.937,141.15
  pour cut-out: 310.05,141.275 307.575,138.8 307.575,124.663 310.025,122.213 316.525,122.213 319.1,124.787 319.1,138.763 316.587,141.275
  pour cut-out: 309.925,178.775 307.45,176.3 307.45,162.163 309.9,159.713 316.4,159.713 318.975,162.287 318.975,176.263 316.462,178.775
  pour cut-out: 346.35,178.775 343.875,176.3 343.875,162.163 346.325,159.712 352.825,159.712 355.4,162.287 355.4,176.263 352.887,178.775